# Altium PCB eRTM15_Baikal.PcbDoc (part 1 of 7) (continued)
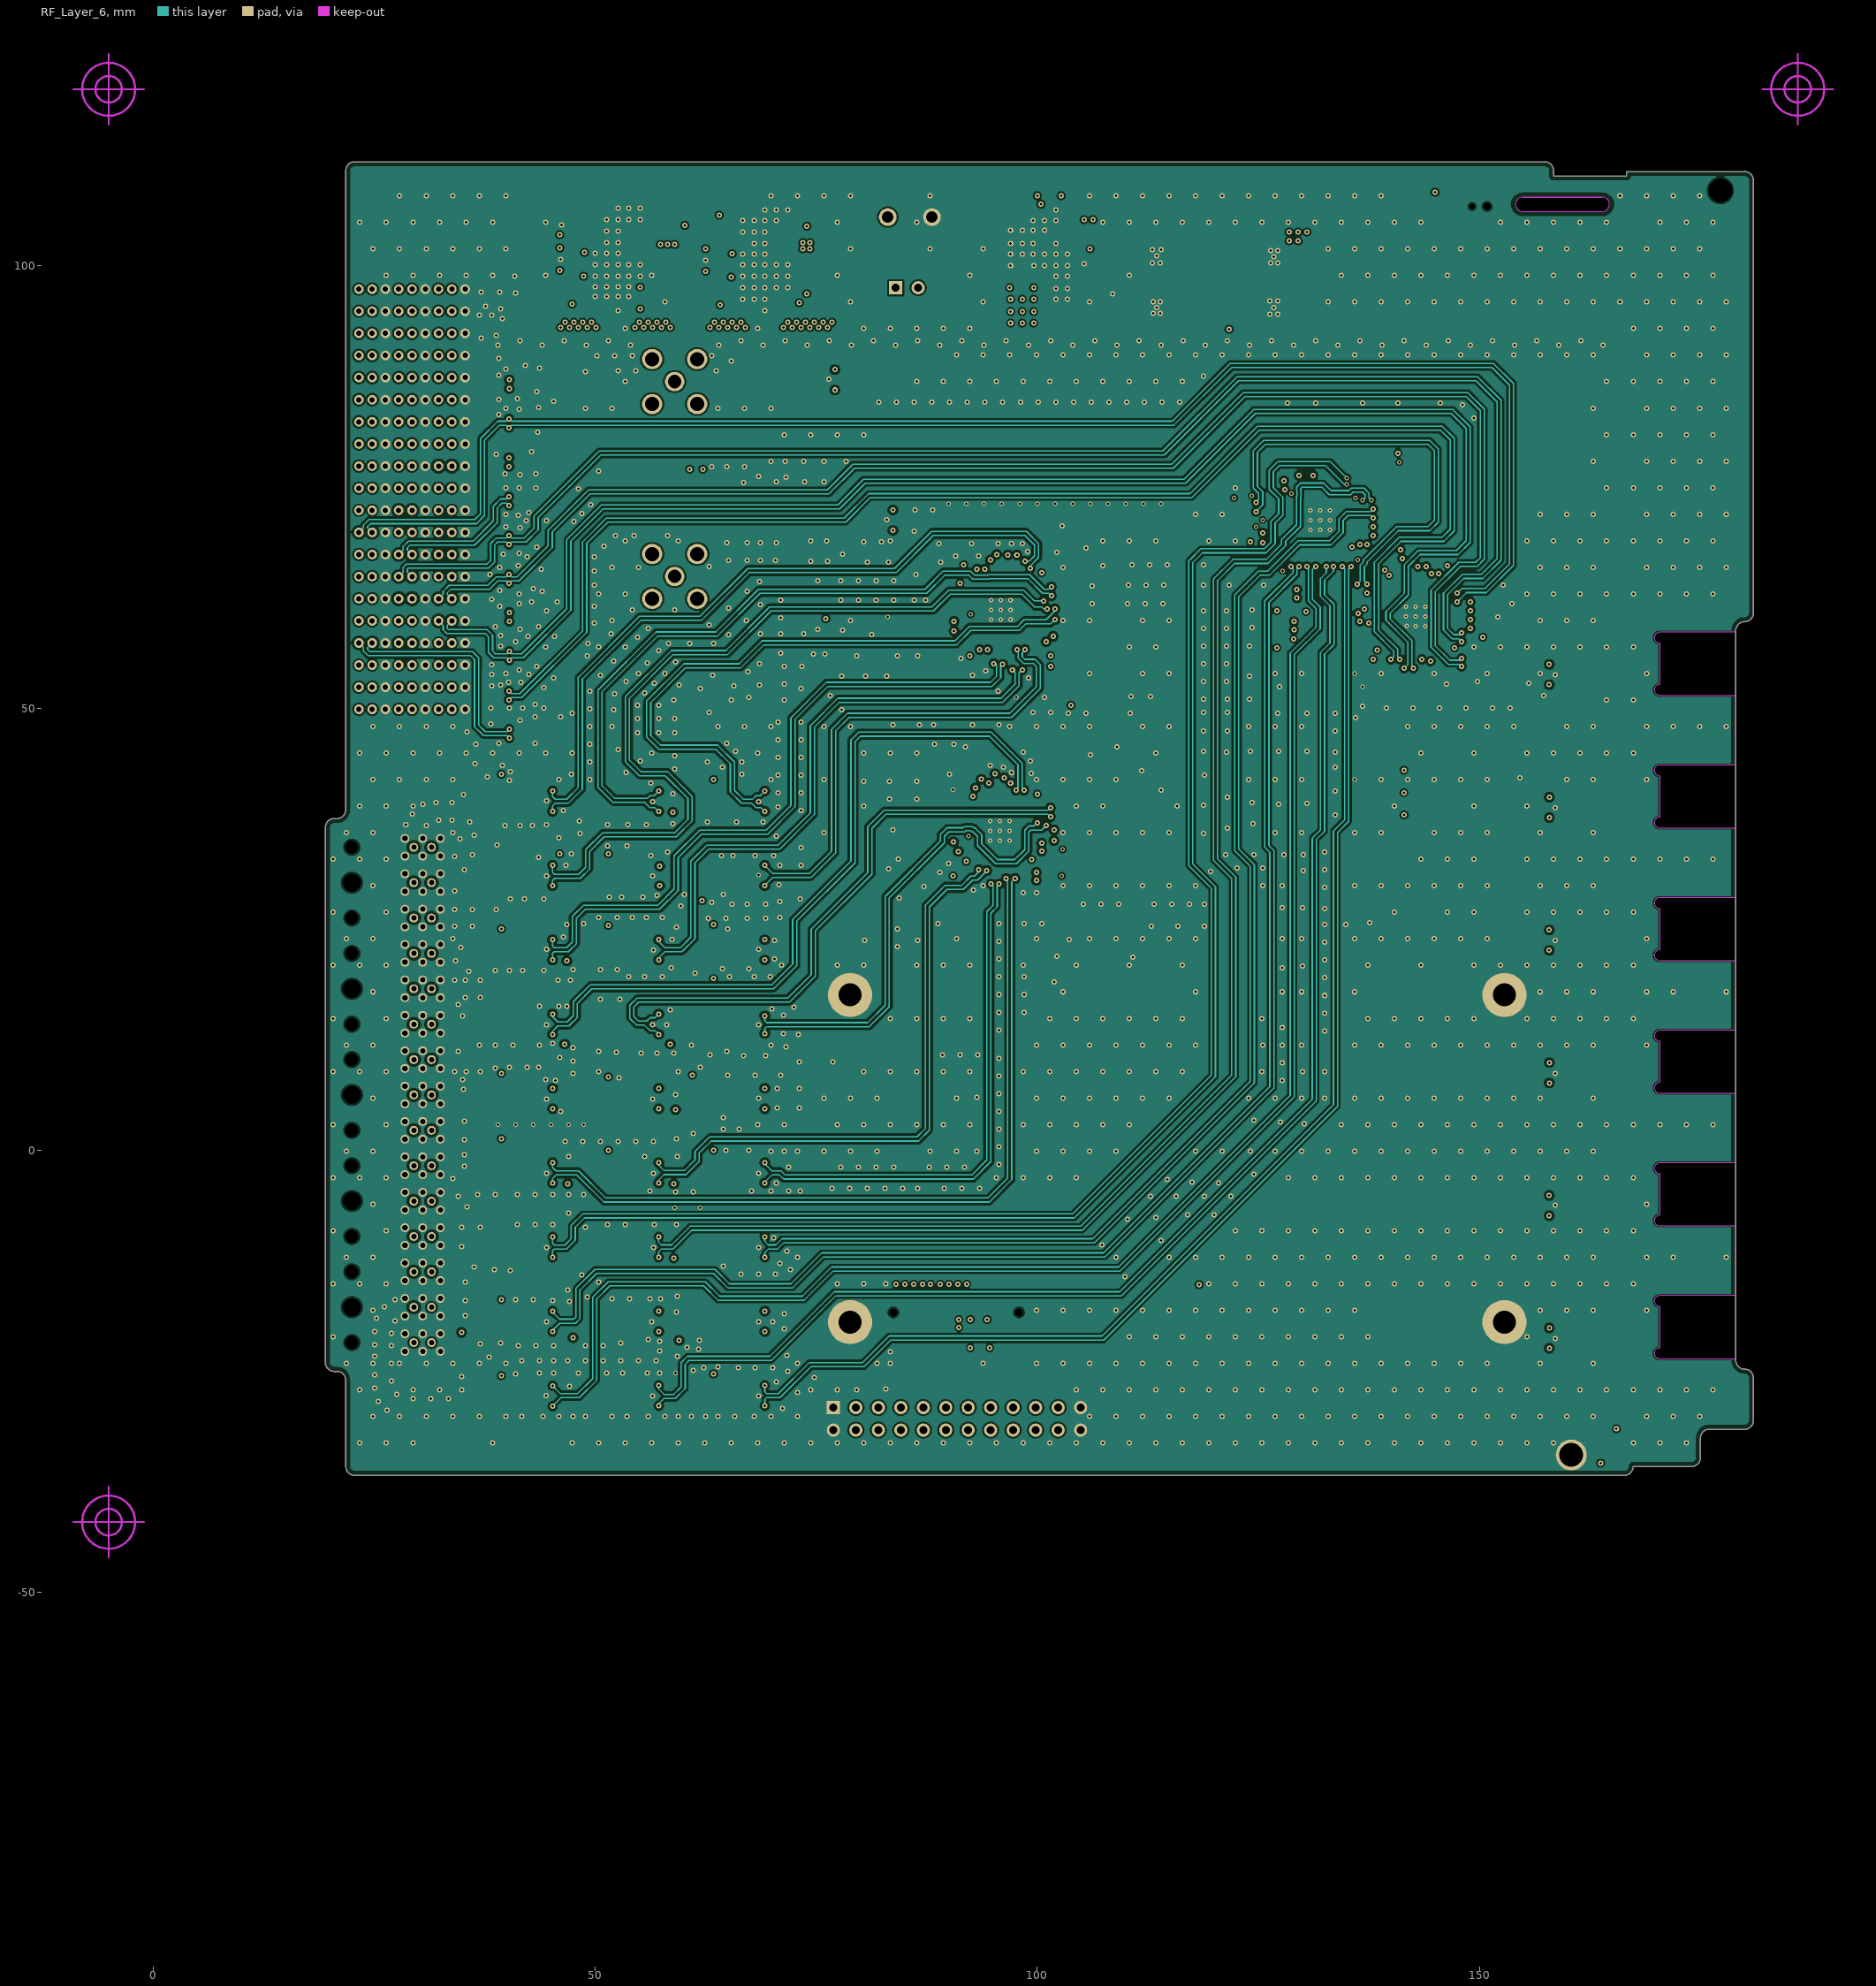
[diagram p7: RF_Layer_6]
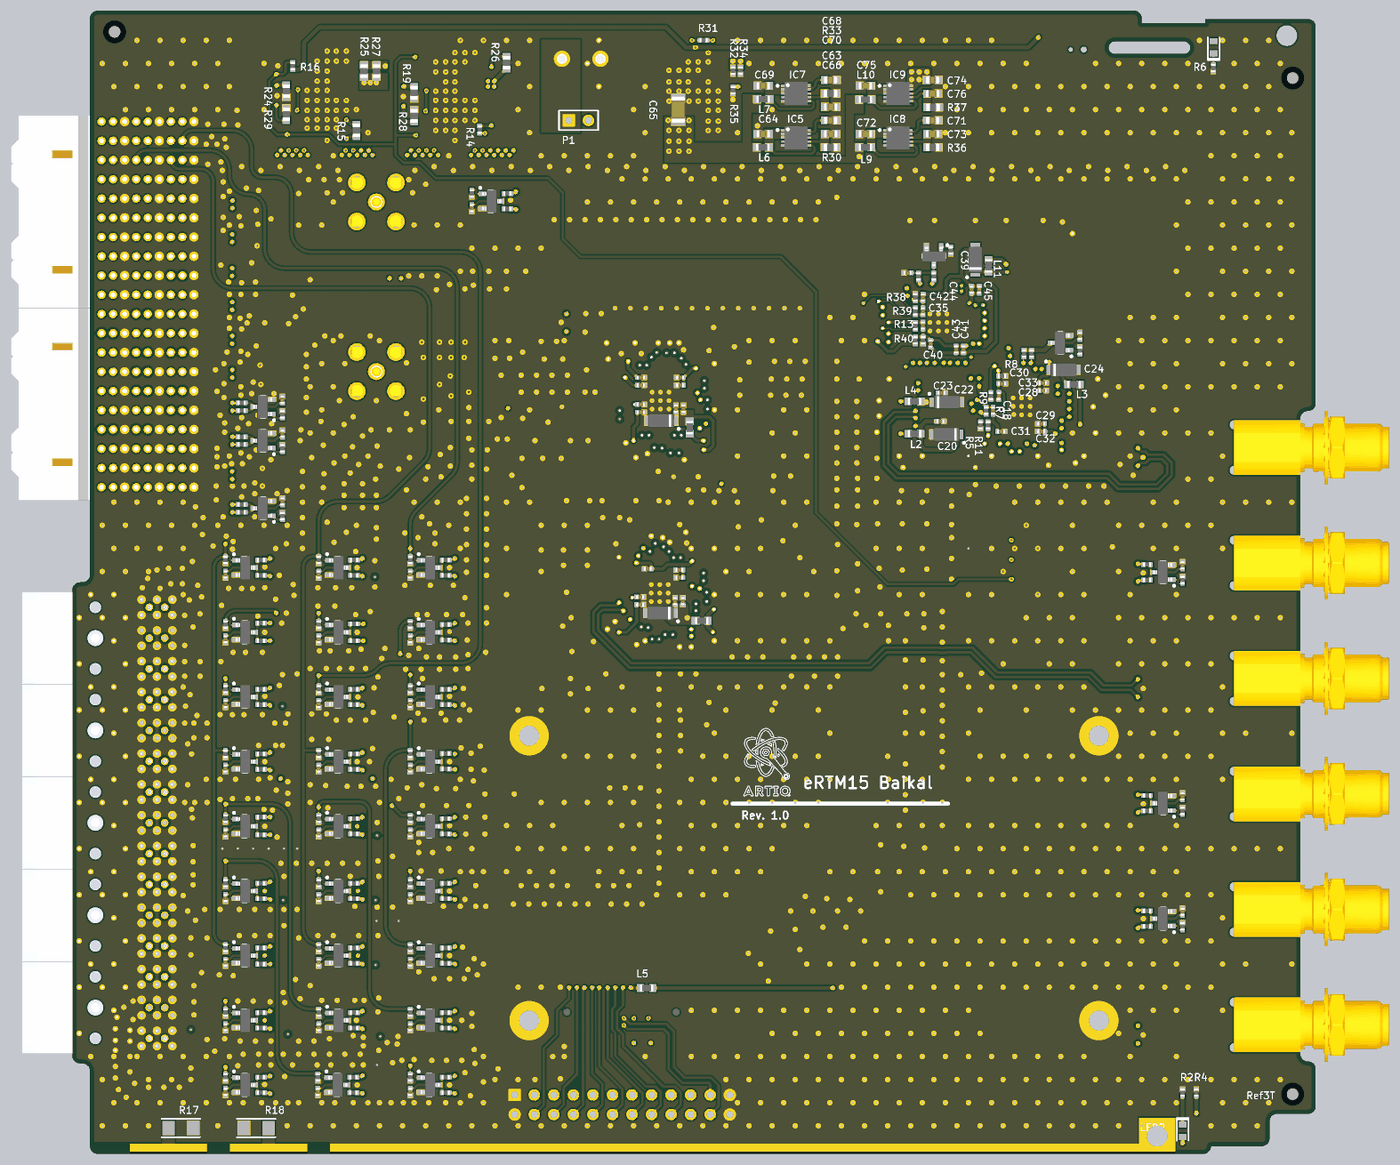
[diagram p14: 3D render of the assembled board from above, using the file's embedded part models]
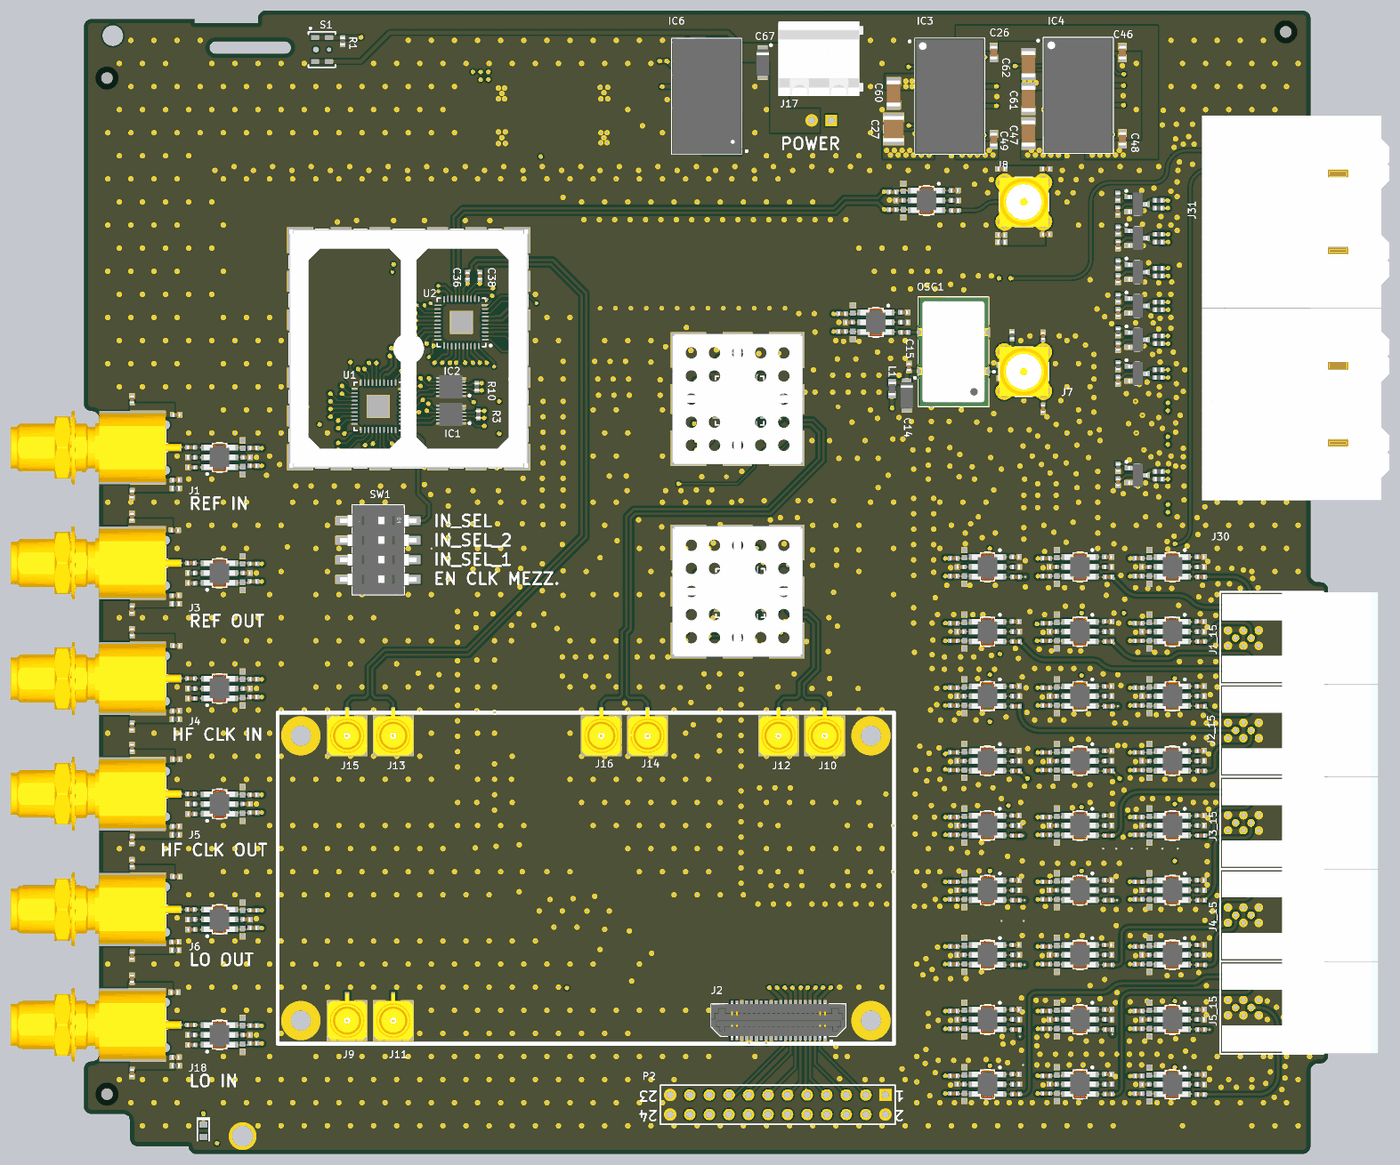
[diagram p15: 3D render of the assembled board from below, using the file's embedded part models]

## Layer stack, top to bottom
Top Solder: solder mask 0.034, Solder Resist, Dk 3.5
Top Layer: signal copper 0.038
Dielectric1: prepreg 0.168, RO4350B, Dk 4.2
RF_Layer_1: signal copper 0.018
Dielectric2: core 0.202, RO4450B, Dk 4.2
GND_PWR_Plane: plane copper 0.018, net (Multiple Nets)
Dielectric3: prepreg 0.168, RO4350B, Dk 4.2
RF_Layer_3: signal copper 0.018
Dielectric4: core 0.202, RO4450B, Dk 4.2
RF_Layer_4: signal copper 0.018
Dielectric5: prepreg 0.168, RO4350B, Dk 4.2
GND_PWR_Plane_2: plane copper 0.018, net (Multiple Nets)
Dielectric6: core 0.202, RO4450B, Dk 4.2
RF_Layer_6: signal copper 0.018
Dielectric7: prepreg 0.168, RO4350B, Dk 4.2
Bottom Layer: signal copper 0.038
Bottom Solder: solder mask 0.034, Solder Resist, Dk 3.5

## Board outline
19.5,-24 ccw(c20.5,-24) 20.5,-25 20.8,-25 cw(c20.8,-26) 21.8,-26 21.8,-35.75 ccw(c22.8,-35.75) 22.8,-36.75 166.4,-36.75 166.404,-36.751 ccw(c166.404,-35.751) 167.404,-35.751 174.004,-35.751 ccw(c174.004,-34.751) 175.004,-34.751 175.004,-32.546 175,-32.55 cw(c176,-32.55) 176,-31.55 180,-31.55 ccw(c180,-30.55) 181,-30.55 181,-25.75 ccw(c180,-25.75) 180,-24.75 cw(c180,-23.75) 179,-23.75 179,58.75 cw(c180,58.75) 180,59.75 ccw(c180,60.75) 181,60.75 181,109.65 ccw(c180,109.65) 180,110.65 166.65,110.65 166.65,110.649 166.65,110.149 158.4,110.149 158.4,110.75 ccw(c157.4,110.75) 157.4,111.75 22.8,111.75 ccw(c22.8,110.75) 21.8,110.75 21.8,38.5 cw(c20.8,38.5) 20.8,37.5 20.5,37.5 ccw(c20.5,36.5) 19.5,36.5
cut-out: 154.904,106.149 163.904,106.149 ccw(c163.904,106.949) 163.904,107.749 154.904,107.749 ccw(c154.904,106.949)

## Design rules (kind name [scope] priority, off if disabled: settings)
AcuteAngle AcuteAngle_GND [InNet('GND')] p1: minimum=7.00000000000000E+0001 checktracksonly=FALSE
AcuteAngle [All] p2: minimum=8.00000000000000E+0001 checktracksonly=FALSE
Clearance Clearance_DiffPair_Self [(InDifferentialPairClass('All Differential Pairs')) vs (InDifferentialPairClass('All Differential Pairs'))] p1: gap=0.3 ignorepadtopadclearanceinfootprint=FALSE
Clearance Clearance_DiffPair [(InDifferentialPairClass('All Differential Pairs')) vs NOT (InDifferentialPairClass('All Differential Pairs'))] p2: gap=0.3 ignorepadtopadclearanceinfootprint=FALSE
Clearance Clearance_50_Ohms_GND_VIA [InNetClass('50_Ohms') vs (IsVia AND InNet('GND')) and not(IsPad)] p3: gap=0.3 ignorepadtopadclearanceinfootprint=TRUE
Clearance Clearance_50_Ohms_GND_Plane [InNetClass('50_Ohms') vs (InPolygon AND InNet('GND'))] p4: gap=0.3 ignorepadtopadclearanceinfootprint=TRUE
Clearance Clearance_50_Ohms [InNetClass('50_Ohms')] p5: gap=0.3 ignorepadtopadclearanceinfootprint=FALSE
Clearance ZE_REFERENCE [InNet('RF_ZE')] p6: gap=0.75 ignorepadtopadclearanceinfootprint=FALSE except(0: Arc-Hole Track-Hole SMDPad-Hole THPad-Hole Via-Hole Fill-Hole Poly-Hole Region-Hole Text-Hole)
Clearance Clearance_KeepOut_ESD [OnLayer('Keep-Out Layer') vs HasFootprint('ESD 1&2') OR HasFootprint('ESD 3')] p7: gap=0.25 ignorepadtopadclearanceinfootprint=FALSE except(0: Arc-Hole Track-Hole SMDPad-Hole THPad-Hole Via-Hole Fill-Hole Poly-Hole Region-Hole Text-Hole)
Clearance Clearance_KeepOut [OnLayer('Keep-Out Layer')] p8: gap=0.5 ignorepadtopadclearanceinfootprint=FALSE except(0: Arc-Hole Track-Hole SMDPad-Hole THPad-Hole Via-Hole Fill-Hole Poly-Hole Region-Hole Text-Hole)
Clearance Clearance_Radiall [InNetClass('50_Ohms') vs HasFootprint('Coaxipack2')] p9: gap=0.2 ignorepadtopadclearanceinfootprint=FALSE
Clearance [All] p10: gap=0.2 ignorepadtopadclearanceinfootprint=FALSE except(0: Arc-Hole Track-Hole SMDPad-Hole THPad-Hole Via-Hole Fill-Hole Poly-Hole Region-Hole Text-Hole)
ComponentClearance Clearance_ERNI [(HasFootprint('ERMET ZD 3-10 CONNECTOR')) vs (HasFootprint('ERMET ZD 3-10 CONNECTOR'))] p1: gap=0 collisioncheckmode=3 verticalgap=0.254 showdistances=FALSE
ComponentClearance Clearance_Radiall_Placement [HasFootprint('Coaxipack2') vs HasFootprint('Coaxipack2')] p2: gap=0 collisioncheckmode=3 verticalgap=0.254 showdistances=FALSE
ComponentClearance [All] p3: gap=0.254 collisioncheckmode=3 verticalgap=0.254 showdistances=FALSE
DiffPairsRouting CLK_DiffPairsRouting [(InDifferentialPairClass('All Differential Pairs'))] p1: maxlimit=0.3 minlimit=0.3 mostfreqgap=0.3 toplayer_minwidth=0.16 toplayer_maxwidth=0.3 toplayer_prefwidth=0.16 midlayer1_minwidth=0.16 midlayer1_maxwidth=0.3 midlayer1_prefwidth=0.16 midlayer3_minwidth=0.16 midlayer3_maxwidth=0.3 midlayer3_prefwidth=0.16 midlayer4_minwidth=0.16 midlayer4_maxwidth=0.3 midlayer4_prefwidth=0.16 midlayer6_minwidth=0.16 midlayer6_maxwidth=0.3 midlayer6_prefwidth=0.16 bottomlayer_minwidth=0.16 bottomlayer_maxwidth=0.3 bottomlayer_prefwidth=0.16 maxuncoupledlength=3
FabricationTestPointUsage TestPointUsage [All] p1: valid=0 allowmultiple=FALSE
FabricationTestpoint Testpoint [(IsPad And (OnTopLayer Or OnBottomLayer))] p1: side=3 testpointundercomponent=TRUE minsize=1.016 maxsize=2.54 preferedsize=1.524 minholesize=0 maxholesize=1.016 preferedholesize=0.813 testpointgrid=0.025 allowsidetop=TRUE allowsidebottom=TRUE usegrid=TRUE gridtolerance=0
Height BottomHeight [All] p1: minheight=0 maxheight=20 prefheight=10
Height TopHeight [OnLayer('Top Layer (LO)')] p2: minheight=0 maxheight=2.5 prefheight=1
HoleSize [All] p1: absolutevalues=TRUE maxlimit=5 minlimit=0.3 maxpercent=80.000 minpercent=20.000
HoleToHoleClearance [All] p1: gap=0.2 allowstackedmicrovias=TRUE
Length [All] p1: maxlimit=2540 minlimit=0
MinimumAnnularRing MinimumAnnularRing_Blind [(InNetClass('50_Ohms') OR InDifferentialPairClass('All Differential Pairs'))] p1: minimumring=0.1
MinimumAnnularRing [All] p2: minimumring=0.15
MinimumSolderMaskSliver [All] p1: minsoldermaskwidth=0.2
PlaneClearance [All] p1: clearance=0.2
PlaneConnect [All] p1: planeconnectstyle=Direct reliefexpansion=0.508 reliefentries=4 reliefconductorwidth=0.254 reliefairgap=0.254
PolygonConnect [All] p1: connectstyle=Direct reliefconductorwidth=0.254 reliefentries=4 polygonreliefangle="90 Angle" airgapwidth=0.254
RoomDefinition U_CTRL [InComponentClass('U_CTRL')] p1: confinementstyle=ConfineIn formatcopy=TRUE lockcomponents=FALSE outline -81.58,-117.13 -30.78,-117.13 -30.78,-91.73 -81.58,-91.73
RoomDefinition U_LvpeclTermWithCtrl28 [InComponentClass('U_LvpeclTermWithCtrl28')] p2: confinementstyle=ConfineIn formatcopy=TRUE lockcomponents=FALSE outline 47.3,84.7 39.5,84.7 39.5,88.6 47.3,88.6
RoomDefinition U_LvpeclTermWithCtrl31 [InComponentClass('U_LvpeclTermWithCtrl31')] p3: confinementstyle=ConfineIn formatcopy=TRUE lockcomponents=FALSE outline 47.3,49.5 39.5,49.5 39.5,53.4 47.3,53.4
RoomDefinition U_LvpeclTermWithCtrl29 [InComponentClass('U_LvpeclTermWithCtrl29')] p4: confinementstyle=ConfineIn formatcopy=TRUE lockcomponents=FALSE outline 47.3,67.1 39.5,67.1 39.5,71 47.3,71
RoomDefinition U_LvpeclTermWithCtrl27 [InComponentClass('U_LvpeclTermWithCtrl27')] p5: confinementstyle=ConfineIn formatcopy=TRUE lockcomponents=FALSE outline 47.3,75.9 39.5,75.9 39.5,79.8 47.3,79.8
RoomDefinition U_LvpeclTermWithCtrl24 [InComponentClass('U_LvpeclTermWithCtrl24')] p6: confinementstyle=ConfineIn formatcopy=TRUE lockcomponents=FALSE outline 47.3,62.7 39.5,62.7 39.5,66.6 47.3,66.6
RoomDefinition U_LvpeclTermWithCtrl23 [InComponentClass('U_LvpeclTermWithCtrl23')] p7: confinementstyle=ConfineIn formatcopy=TRUE lockcomponents=FALSE outline 47.3,71.5 39.5,71.5 39.5,75.4 47.3,75.4
RoomDefinition U_LvpeclTermWithCtrl22 [InComponentClass('U_LvpeclTermWithCtrl22')] p8: confinementstyle=ConfineIn formatcopy=TRUE lockcomponents=FALSE outline 47.3,80.3 39.5,80.3 39.5,84.2 47.3,84.2
RoomDefinition U_LvpeclTermWithCtrl30 [InComponentClass('U_LvpeclTermWithCtrl30')] p9: confinementstyle=ConfineIn formatcopy=TRUE lockcomponents=FALSE outline 47.3,62.2 39.5,62.2 39.5,58.3 47.3,58.3
RoomDefinition U_LvpeclTermWithCtrl26 [InComponentClass('U_LvpeclTermWithCtrl26')] p10: confinementstyle=ConfineIn formatcopy=FALSE lockcomponents=FALSE outline 47.3,49 39.5,49 39.5,45.1 47.3,45.1
RoomDefinition U_LO_distribution [InComponentClass('U_LO_distribution')] p11: confinementstyle=ConfineIn formatcopy=TRUE lockcomponents=FALSE outline 104.8,52.6 87.5,52.6 87.5,70 104.8,70
RoomDefinition U_HF_CLK_Distribution [InComponentClass('U_HF_CLK_Distribution')] p12: confinementstyle=ConfineIn formatcopy=TRUE lockcomponents=FALSE outline 104.8,27.6 87.5,27.6 87.5,45 104.8,45
RoomDefinition U_Reference_distribution [InComponentClass('U_Reference_distribution')] p13: confinementstyle=ConfineIn formatcopy=TRUE lockcomponents=FALSE outline 122.8,83.9 164.5,83.9 164.5,51.9 122.8,51.9
RoomDefinition U_Diff2SE26 [InComponentClass('U_Diff2SE26')] p14: confinementstyle=ConfineIn formatcopy=TRUE lockcomponents=FALSE outline 77.52,84.4 66.925,84.4 66.925,89.8 77.52,89.8
RoomDefinition U_Diff2SE24 [InComponentClass('U_Diff2SE24')] p15: confinementstyle=ConfineIn formatcopy=TRUE lockcomponents=FALSE outline 84.08,68.57 73.485,68.57 73.485,73.97 84.08,73.97
RoomDefinition U_OnBoardOscillator [InComponentClass('U_OnBoardOscillator')] p16: confinementstyle=ConfineIn formatcopy=TRUE lockcomponents=FALSE outline 55.003,74.97 84.58,74.97 84.58,59.07 55.003,59.07
RoomDefinition U_PowerSupply4ClkMezzanine [InComponentClass('U_PowerSupply4ClkMezzanine')] p17: confinementstyle=ConfineIn formatcopy=TRUE lockcomponents=FALSE outline 78.1,90.7 44.7,90.7 44.7,110.6 78.1,110.6
RoomDefinition U_Diff2SE14 [InComponentClass('U_Diff2SE14')] p18: confinementstyle=ConfineIn formatcopy=TRUE lockcomponents=FALSE outline 45.595,36.8 35,36.8 35,42.2 45.595,42.2
RoomDefinition U_Diff2SE15 [InComponentClass('U_Diff2SE15')] p19: confinementstyle=ConfineIn formatcopy=TRUE lockcomponents=FALSE outline 57.595,36.8 47,36.8 47,42.2 57.595,42.2
RoomDefinition U_Diff2SE16 [InComponentClass('U_Diff2SE16')] p20: confinementstyle=ConfineIn formatcopy=TRUE lockcomponents=FALSE outline 45.595,28.4 35,28.4 35,33.8 45.595,33.8
RoomDefinition U_Diff2SE17 [InComponentClass('U_Diff2SE17')] p21: confinementstyle=ConfineIn formatcopy=TRUE lockcomponents=FALSE outline 69.595,36.8 59,36.8 59,42.2 69.595,42.2
RoomDefinition U_Diff2SE18 [InComponentClass('U_Diff2SE18')] p22: confinementstyle=ConfineIn formatcopy=TRUE lockcomponents=FALSE outline 57.595,28.4 47,28.4 47,33.8 57.595,33.8
RoomDefinition U_Diff2SE19 [InComponentClass('U_Diff2SE19')] p23: confinementstyle=ConfineIn formatcopy=TRUE lockcomponents=FALSE outline 69.595,28.4 59,28.4 59,33.8 69.595,33.8
RoomDefinition U_Diff2SE21 [InComponentClass('U_Diff2SE21')] p24: confinementstyle=ConfineIn formatcopy=TRUE lockcomponents=FALSE outline 45.595,20 35,20 35,25.4 45.595,25.4
RoomDefinition U_Diff2SE20 [InComponentClass('U_Diff2SE20')] p25: confinementstyle=ConfineIn formatcopy=TRUE lockcomponents=FALSE outline 57.595,20 47,20 47,25.4 57.595,25.4
RoomDefinition U_Diff2SE3 [InComponentClass('U_Diff2SE3')] p26: confinementstyle=ConfineIn formatcopy=TRUE lockcomponents=FALSE outline 45.595,11.6 35,11.6 35,17 45.595,17
RoomDefinition U_Diff2SE22 [InComponentClass('U_Diff2SE22')] p27: confinementstyle=ConfineIn formatcopy=TRUE lockcomponents=FALSE outline 69.595,20 59,20 59,25.4 69.595,25.4
RoomDefinition U_Diff2SE4 [InComponentClass('U_Diff2SE4')] p28: confinementstyle=ConfineIn formatcopy=TRUE lockcomponents=FALSE outline 57.595,11.6 47,11.6 47,17 57.595,17
RoomDefinition U_Diff2SE5 [InComponentClass('U_Diff2SE5')] p29: confinementstyle=ConfineIn formatcopy=TRUE lockcomponents=FALSE outline 69.595,11.6 59,11.6 59,17 69.595,17
RoomDefinition U_Diff2SE7 [InComponentClass('U_Diff2SE7')] p30: confinementstyle=ConfineIn formatcopy=TRUE lockcomponents=FALSE outline 45.595,3.2 35,3.2 35,8.6 45.595,8.6
RoomDefinition U_Diff2SE6 [InComponentClass('U_Diff2SE6')] p31: confinementstyle=ConfineIn formatcopy=TRUE lockcomponents=FALSE outline 57.595,3.2 47,3.2 47,8.6 57.595,8.6
RoomDefinition U_Diff2SE9 [InComponentClass('U_Diff2SE9')] p32: confinementstyle=ConfineIn formatcopy=TRUE lockcomponents=FALSE outline 45.595,-5.2 35,-5.2 35,0.2 45.595,0.2
RoomDefinition U_Diff2SE8 [InComponentClass('U_Diff2SE8')] p33: confinementstyle=ConfineIn formatcopy=TRUE lockcomponents=FALSE outline 69.595,3.2 59,3.2 59,8.6 69.595,8.6
RoomDefinition U_Diff2SE11 [InComponentClass('U_Diff2SE11')] p34: confinementstyle=ConfineIn formatcopy=TRUE lockcomponents=FALSE outline 57.595,-5.2 47,-5.2 47,0.2 57.595,0.2
RoomDefinition U_Diff2SE10 [InComponentClass('U_Diff2SE10')] p35: confinementstyle=ConfineIn formatcopy=TRUE lockcomponents=FALSE outline 69.595,-5.2 59,-5.2 59,0.2 69.595,0.2
RoomDefinition U_Diff2SE29 [InComponentClass('U_Diff2SE29')] p36: confinementstyle=ConfineIn formatcopy=TRUE lockcomponents=FALSE outline 69.595,-13.6 59,-13.6 59,-8.2 69.595,-8.2
RoomDefinition U_Diff2SE28 [InComponentClass('U_Diff2SE28')] p37: confinementstyle=ConfineIn formatcopy=TRUE lockcomponents=FALSE outline 57.595,-13.6 47,-13.6 47,-8.2 57.595,-8.2
RoomDefinition U_Diff2SE27 [InComponentClass('U_Diff2SE27')] p38: confinementstyle=ConfineIn formatcopy=TRUE lockcomponents=FALSE outline 45.595,-13.6 35,-13.6 35,-8.2 45.595,-8.2
RoomDefinition U_Diff2SE30 [InComponentClass('U_Diff2SE30')] p39: confinementstyle=ConfineIn formatcopy=TRUE lockcomponents=FALSE outline 69.595,-22 59,-22 59,-16.6 69.595,-16.6
RoomDefinition U_Diff2SE35 [InComponentClass('U_Diff2SE35')] p40: confinementstyle=ConfineIn formatcopy=TRUE lockcomponents=FALSE outline 45.595,-22 35,-22 35,-16.6 45.595,-16.6
RoomDefinition U_Diff2SE31 [InComponentClass('U_Diff2SE31')] p41: confinementstyle=ConfineIn formatcopy=TRUE lockcomponents=FALSE outline 57.595,-22 47,-22 47,-16.6 57.595,-16.6
RoomDefinition U_Diff2SE32 [InComponentClass('U_Diff2SE32')] p42: confinementstyle=ConfineIn formatcopy=TRUE lockcomponents=FALSE outline 69.595,-30.4 59,-30.4 59,-25 69.595,-25
RoomDefinition U_Diff2SE33 [InComponentClass('U_Diff2SE33')] p43: confinementstyle=ConfineIn formatcopy=TRUE lockcomponents=FALSE outline 57.595,-30.4 47,-30.4 47,-25 57.595,-25
RoomDefinition U_Diff2SE34 [InComponentClass('U_Diff2SE34')] p44: confinementstyle=ConfineIn formatcopy=TRUE lockcomponents=FALSE outline 45.6,-30.43 35.005,-30.43 35.005,-25.03 45.6,-25.03
RoomDefinition U_CLK_Mezzanine [InComponentClass('U_CLK_Mezzanine')] p45: confinementstyle=ConfineIn formatcopy=TRUE lockcomponents=FALSE outline 157.34,-34.24 73.84,-34.24 73.84,21.66 157.34,21.66
RoomDefinition U_Diff2SE25 [InComponentClass('U_Diff2SE25')] p46: confinementstyle=ConfineIn formatcopy=TRUE lockcomponents=FALSE outline 157.5,56.43 168.095,56.43 168.095,51.03 157.5,51.03
RoomDefinition U_Diff2SE23 [InComponentClass('U_Diff2SE23')] p47: confinementstyle=ConfineIn formatcopy=TRUE lockcomponents=FALSE outline 157.51,41.4 168.105,41.4 168.105,36 157.51,36
RoomDefinition U_Diff2SE2 [InComponentClass('U_Diff2SE2')] p48: confinementstyle=ConfineIn formatcopy=TRUE lockcomponents=FALSE outline 157.505,26.4 168.1,26.4 168.1,21 157.505,21
RoomDefinition U_Diff2SE1 [InComponentClass('U_Diff2SE1')] p49: confinementstyle=ConfineIn formatcopy=TRUE lockcomponents=FALSE outline 157.51,11.4 168.105,11.4 168.105,6 157.51,6
RoomDefinition U_Diff2SE12 [InComponentClass('U_Diff2SE12')] p50: confinementstyle=ConfineIn formatcopy=TRUE lockcomponents=FALSE outline 157.505,-3.6 168.1,-3.6 168.1,-9 157.505,-9
RoomDefinition U_Diff2SE13 [InComponentClass('U_Diff2SE13')] p51: confinementstyle=ConfineIn formatcopy=TRUE lockcomponents=FALSE outline 157.51,-18.6 168.105,-18.6 168.105,-24 157.51,-24
RoomDefinition U_FP_connectors [InComponentClass('U_FP_connectors')] p52: confinementstyle=ConfineIn formatcopy=TRUE lockcomponents=FALSE outline 168,60 190.9,60 190.9,-25 168,-25
RoomDefinition U_PowerSupply [InComponentClass('U_PowerSupply')] p53: confinementstyle=ConfineIn formatcopy=TRUE lockcomponents=FALSE outline 80,90.7 133.25,90.7 133.25,110.6 80,110.6
RoomDefinition U_LvpeclTermWithCtrl43 [InComponentClass('U_LvpeclTermWithCtrl43')] p54: confinementstyle=ConfineIn formatcopy=FALSE lockcomponents=FALSE outline 38.9,-21.3 45,-21.3 45,-17.4 38.9,-17.4
RoomDefinition U_LvpeclTermWithCtrl42 [InComponentClass('U_LvpeclTermWithCtrl42')] p55: confinementstyle=ConfineIn formatcopy=FALSE lockcomponents=FALSE outline 50.9,-29.7 57,-29.7 57,-25.8 50.9,-25.8
RoomDefinition U_LvpeclTermWithCtrl41 [InComponentClass('U_LvpeclTermWithCtrl41')] p56: confinementstyle=ConfineIn formatcopy=FALSE lockcomponents=FALSE outline 51,-21.3 57.1,-21.3 57.1,-17.4 51,-17.4
RoomDefinition U_LvpeclTermWithCtrl40 [InComponentClass('U_LvpeclTermWithCtrl40')] p57: confinementstyle=ConfineIn formatcopy=FALSE lockcomponents=FALSE outline 62.9,-12.9 69,-12.9 69,-9 62.9,-9
RoomDefinition U_LvpeclTermWithCtrl39 [InComponentClass('U_LvpeclTermWithCtrl39')] p58: confinementstyle=ConfineIn formatcopy=FALSE lockcomponents=FALSE outline 38.9,-12.9 45,-12.9 45,-9 38.9,-9
RoomDefinition U_LvpeclTermWithCtrl38 [InComponentClass('U_LvpeclTermWithCtrl38')] p59: confinementstyle=ConfineIn formatcopy=FALSE lockcomponents=FALSE outline 38.9,-29.7 45,-29.7 45,-25.8 38.9,-25.8